# Altium PCB T12-4 2.0.PcbDoc (continued)
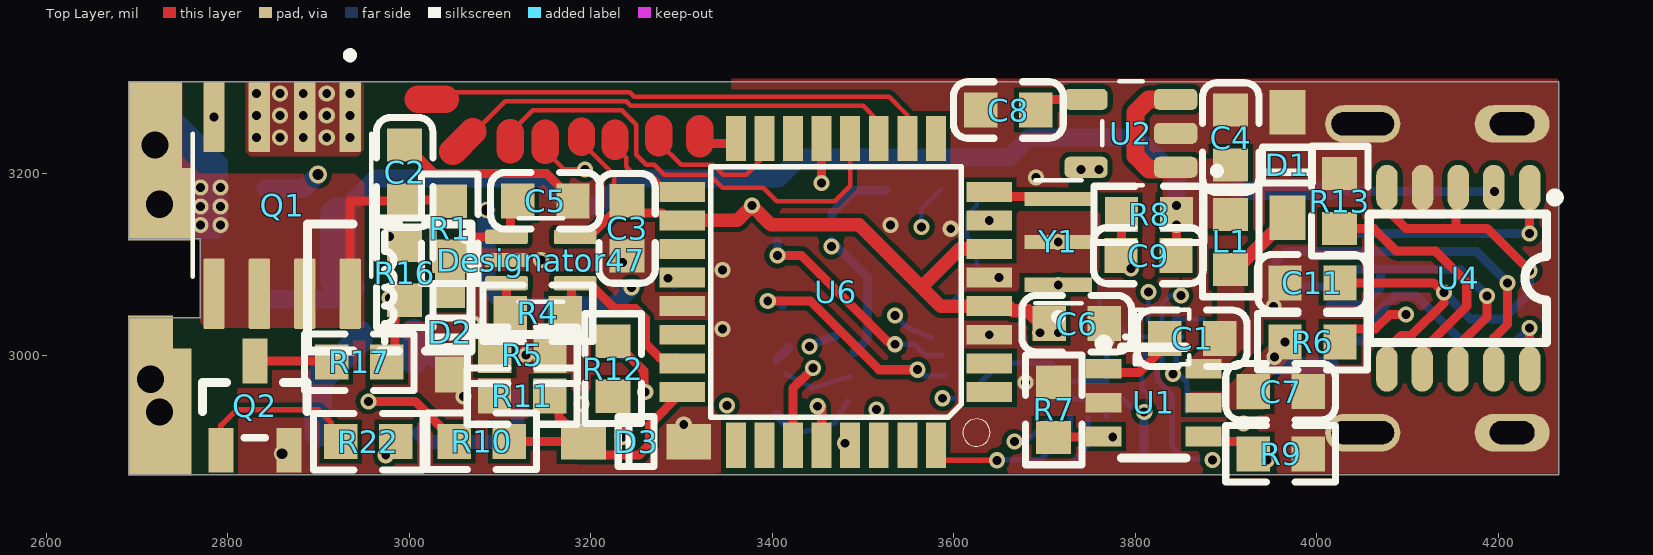
[diagram p0: Top Layer view]
## Footprints (in the part's own frame and the unit in brackets; to place one, negate y for a bottom-side part, rotate by r counter-clockwise, add the part's x,y. Pads: shape width x height; smd on the part's side, far side on the other; paste and mask are expansions set on the pad)
0603_C [mm]
  rect 0.93x0.98 smd: 1(-0.77,0) 2(0.77,0)
  silkscreen extent -1.53,-0.79 1.54,0.79, body extent -0.8,-0.4 0.8,0.4, height 0.3
0603_L [mm]
  rect 0.93x0.98 smd: 1(-0.77,0) 2(0.77,0)
  silkscreen extent -1.53,-0.79 1.54,0.79, body extent -0.8,-0.41 0.8,0.41, height 0.46
0603_R [mm]
  rect 0.93x0.98 smd: 1(-0.77,0) 2(0.77,0)
  silkscreen extent -1.53,-0.79 1.54,0.79, body extent -0.85,-0.4 0.85,0.4, height 0.56
FH35C-13S [mm]
  rect 0.95x0.4 smd: 0(0.275,4.3) 0(0.275,-0.7)
  rect 0.8x0.3 smd: 1(0,3.6) 2(2.875,3.3) 3(0,3) 4(2.875,2.7) 5(0,2.4) 6(2.875,2.1) 7(0,1.8) 8(2.875,1.5) 9(0,1.2) 10(2.875,0.9) 11(0,0.6) 12(2.875,0.3) 13(0,0)
FS312 [mm]
  oval 0.6x1.27 smd: 1(1.891,2.54) 2(0.883,2.54) 3(-0.113,2.54) 4(-1.108,2.54) 5(-2.107,2.54) 6(-2.107,-2.54) 7(-1.119,-2.54) 8(-0.118,-2.54) 9(0.883,-2.54) 10(1.891,-2.54)
  silkscreen extent -2.59,-1.8 2.72,2.38
FXMAR2102UMX [mm]
  rect 0.45x0.25 smd: 1(-0.5,0)
  rect 0.25x0.35 smd: 2(-0.4,-0.45) 3(0,-0.45) 4(0.4,-0.45) 6(0.4,0.45) 7(0,0.45) 8(-0.4,0.45)
  rect 0.325x0.25 smd: 5(0.563,0)
LGA12R50P4X4_200X200X70 [mm]
  rect 0.4x0.35 smd: 1(-0.76,0.75) 2(-0.76,0.25) 3(-0.76,-0.25) 4(-0.76,-0.75) 7(0.76,-0.75) 8(0.76,-0.25) 9(0.76,0.25) 10(0.76,0.75)
  rect 0.35x0.4 smd: 5(-0.25,-0.76) 6(0.25,-0.76) 11(0.25,0.76) 12(-0.25,0.76)
  silkscreen extent -1.55,-1.05 1.05,1.05, body extent -1,-1 1,1, height 0.7
NR3015 [mm] "3mm*3mm*1.5mm(长*宽*高）"
  rect 1.5x3 smd: 1(-1.2,0) 2(1.2,0)
  body extent -1.52,-1.5 1.48,1.5, height 1.45
OSC_CSTCE16M0V51Z-R0 [mm]
  rect 0.4x1.9 smd: 1(-1.2,0) 2(0,0) 3(1.2,0)
  silkscreen extent -2.2,-0.65 1.72,0.65, body extent -1.6,-0.65 1.6,0.65, height 1
SOD-123 [mm]
  rect 1.25x1 smd: 1(1.475,0) 2(-1.475,0)
  silkscreen extent -0.5,-0.7 0.5,0.7, body extent -1.85,-0.77 1.85,0.78, height 1.35
SOD-323 [mm]
  rect 1x0.83 smd: 1(1.18,0) 2(-1.18,0)
  silkscreen extent -0.4,-0.6 0.4,0.6, body extent -1.35,-0.62 1.35,0.63, height 1.1
SOIC127P600X175-8N [mm]
  rrect15% 1.97x0.6 smd: 1(-2.475,1.905) 2(-2.475,0.635) 3(-2.475,-0.635) 4(-2.475,-1.905) 5(2.475,-1.905) 6(2.475,-0.635) 7(2.475,0.635) 8(2.475,1.905)
  silkscreen extent -4.3,-2.5 2,2.5
SOT65P210X110-5N [mm]
  rrect25% 1.19x0.4 smd: 1(-0.96,0.65) 2(-0.96,0) 3(-0.96,-0.65) 4(0.96,-0.65) 5(0.96,0.65)
  silkscreen extent -2.2,-1.17 0.63,1.17, body extent -1.05,-1 1.05,1, height 1.1
SOT95P280X145-5N [mm]
  rrect50% 1.21x0.59 smd: 1(-1.255,0.95) 2(-1.255,0) 3(-1.255,-0.95) 4(1.255,-0.95) 5(1.255,0.95)
  silkscreen extent -2.51,-1.45 0.8,1.45, body extent -1.4,-1.45 1.4,1.45, height 1.45
SOT-23 [mm]
  rect 1.016x1.2 smd: 1(-0.95,-1.06) 2(0.95,-1.06) 3(0,1.06)
  silkscreen extent -1.46,-0.25 1.46,0.8
SOT-23(SOT-23-3) [mm]
  rect 1.25x0.7 smd: 1(1.25,-0.95) 2(1.25,0.95) 3(-1.25,0)
  silkscreen extent -0.65,-1.46 0.9,1.46, body extent -1.5,-1.5 1.5,1.5, height 1.3
SOT-23-5 [mm]
  rect 1.1x0.6 smd: 1(1.4,-0.95) 2(1.4,0) 3(1.4,0.95) 4(-1.4,0.95) 5(-1.4,-0.95)
  silkscreen extent -0.5,-1.87 1.63,1.4
SOT-23-6_L2.9-W1.6-P0.95-LS2.8-BR [mm]
  rect 1x0.55 smd: 1(1.4,-0.899) 2(1.4,0.051) 3(1.4,1.001) 4(-1.4,1.001) 5(-1.4,0.051) 6(-1.4,-0.899)
  silkscreen extent -0.9,-1.73 1.52,1.6
TQFP32-0.8-7X7MM [mil]
  rect 50x22 smd: 1(-169,110.24) 2(-169,78.74) 3(-169,47.24) 4(-169,15.75) 5(-169,-15.75) 6(-169,-47.24) 7(-169,-78.74) 8(-169,-110.24) 17(169,-110.24) 18(169,-78.74) 19(169,-47.24) 20(169,-15.75) 21(169,15.75) 22(169,47.24) 23(169,78.74) 24(169,110.24)
  rect 22x50 smd: 9(-110.24,-169) 10(-78.74,-169) 11(-47.24,-169) 12(-15.75,-169) 13(15.75,-169) 14(47.24,-169) 15(78.74,-169) 16(110.24,-169) 25(110.24,169) 26(78.74,169) 27(47.24,169) 28(15.75,169) 29(-15.75,169) 30(-47.24,169) 31(-78.74,169) 32(-110.24,169)
  silkscreen extent -170,-138 138,170, body extent -177,-177 177,177, height 21
TYPE-C-31-M-12 [mm]
  rect 0.6x1.45 smd: A1B12(-3.25,5.095) A4B9(-2.45,5.095) B1A12(3.25,5.095) B4A9(2.45,5.095)
  rect 0.3x1.45 smd: A5(-1.25,5.095) A6(-0.25,5.095) A7(0.25,5.095) A8(1.25,5.095) B5(1.75,5.095) B6(0.75,5.095) B7(-0.75,5.095) B8(-1.75,5.095)
  oval 1.05x2.1 hole 0.65 slot 1.75 at 90 deg: S1(-4.32,4.18) S2(4.32,4.18)
  oval 1.05x2.1 hole 0.65 slot 1.25 at 90 deg: S3(-4.32,0) S4(4.32,0)
  silkscreen extent -4.47,-2.6 4.47,6.5

## Part data
C1 C3 C10 C17 C18: library part "0603 100nF (104) 10% 50V", "贴片电容", Package=0603, SuppliersPartNumber=C14663, ComponentLink1Description=供?, ComponentLink1URL=http://www.szlcsc.com/product/details_15331.html, Supplier=LC
C2 C11 C13: library part "0603 1uF (105) 10% 50V", "贴片电容", Package=0603, SuppliersPartNumber=C15849, ComponentLink1Description=供?, ComponentLink1URL=http://www.szlcsc.com/product/details_16531.html, Supplier=LC
C4 C6 C15 C16 C20: library part "0603 10uF (106) 10% 10V", "贴片电容", Package=0603, SuppliersPartNumber=C19702, ComponentLink1Description=供?, ComponentLink1URL=http://www.szlcsc.com/product/details_20411.html, Supplier=LC
C5: library part "0603 2.2nF (222) 10% 50V", "贴片电容", Package=0603, SuppliersPartNumber=C1604, ComponentLink1Description=供?, ComponentLink1URL=http://www.szlcsc.com/product/details_1956.html, Supplier=LC
C7 C19: library part "0603 4.7uF (475) 10% 16V", "贴片电容", Package=0603, SuppliersPartNumber=C19666, ComponentLink1Description=供?, ComponentLink1URL=http://www.szlcsc.com/product/details_20375.html, Supplier=LC
C8: library part "0603 10nF (103) 10% 50V", "贴片电容", Package=0603, SuppliersPartNumber=C57112, ComponentLink1Description=供?, ComponentLink1URL=http://www.szlcsc.com/product/details_58143.html, Supplier=LC
C9: library part "0603 33pF (330) 5% 50V", "贴片电容", Package=0603, SuppliersPartNumber=C1663, ComponentLink1Description=供?, ComponentLink1URL=http://www.szlcsc.com/product/details_2015.html, Supplier=LC
C14: library part "0603 10pF (100) 5% 50V", "贴片电容", Package=0603, SuppliersPartNumber=C1634, ComponentLink1Description=供?, ComponentLink1URL=http://www.szlcsc.com/product/details_1986.html, Supplier=LC
D1 D3 D4: library part "SOD-123 B5819W  SL", "肖特基二极管", Package=SOD-123, SuppliersPartNumber=C8598, ComponentLink1Description=供?, ComponentLink1URL=http://www.szlcsc.com/product/details_9093.html, Supplier=LC
D2: library part "SOD-323 1N4148WS T4", "二极管", Package=SOD-323, SuppliersPartNumber=C2128, ComponentLink1Description=供?, ComponentLink1URL=http://www.szlcsc.com/product/details_2485.html, Supplier=LC
J: "USB Connectors 24 Receptacle 1 8.94*7.3mm RoHS", Package=Package, Availability=Unavailable, BuyPart=https://www.snapeda.com/parts/TYPE-C-31-M-12/HRO%20Electronics%20Co.,%20Ltd./view-part/3228496/?ref=eda, MF="HRO Electronics Co., Ltd.", MP=TYPE-C-31-M-12, Price=None, SnapEDA_Link=https://www.snapeda.com/parts/TYPE-C-31-M-12/HRO%20Electronics%20Co.,%20Ltd./view-part/3228496/?ref=snap
L1: library part "0603 33nH 5%", "贴片电感", Package=0603, SuppliersPartNumber=C35050, ComponentLink1Description=供?, ComponentLink1URL=http://www.szlcsc.com/product/details_36021.html, Supplier=LC
Q1: "Transistor: P-MOSFET; unipolar; -40V; -8A; 1.1W; SO8", Package=None, Availability=Unavailable, MF="{'manufacturer': u'Alpha '}", MP=AO4485, Price=None
Q2: library part "SOT-23 SS8050 Y1", "三极管", Package=SOT-23, SuppliersPartNumber=C2150, ComponentLink1Description=供?, ComponentLink1URL=http://www.szlcsc.com/product/details_2507.html, Supplier=LC
R1 R6 R7 R11 R12 R14 R15 R16 R24: library part "0603 10KΩ (1002) 1%", "贴片电阻", Package=0603, SuppliersPartNumber=C25804, ComponentLink1Description=供?, ComponentLink1URL=http://www.szlcsc.com/product/details_26547.html, Supplier=LC
R4: library part "0603 200KΩ (2003) 1%", "贴片电阻", Package=0603, SuppliersPartNumber=C25811, ComponentLink1Description=供?, ComponentLink1URL=http://www.szlcsc.com/product/details_26554.html, Supplier=LC
R5: library part "0603 1KΩ (1001) 1%", "贴片电阻", Package=0603, SuppliersPartNumber=C21190, ComponentLink1Description=供?, ComponentLink1URL=http://www.szlcsc.com/product/details_21904.html, Supplier=LC
R8: library part "0603 62KΩ (6202) 1%", "贴片电阻", Package=0603, SuppliersPartNumber=C23221, ComponentLink1Description=供?, ComponentLink1URL=http://www.szlcsc.com/product/details_23948.html, Supplier=LC
R9: library part "0603 2.2KΩ (2201) 1%", "贴片电阻", Package=0603, SuppliersPartNumber=C4190, ComponentLink1Description=供?, ComponentLink1URL=http://www.szlcsc.com/product/details_4597.html, Supplier=LC
R10: library part "0603 47KΩ (4702) 1%", "贴片电阻", Package=0603, SuppliersPartNumber=C25819, ComponentLink1Description=供?, ComponentLink1URL=http://www.szlcsc.com/product/details_26562.html, Supplier=LC
R13: library part "0603 180KΩ (1803) 1%", "贴片电阻", Package=0603, SuppliersPartNumber=C22827, ComponentLink1Description=供?, ComponentLink1URL=http://www.szlcsc.com/product/details_23554.html, Supplier=LC
R17 R18 R21 R22 R25 R27: library part "0603 4.7KΩ (4701) 1%", "贴片电阻", Package=0603, SuppliersPartNumber=C23162, ComponentLink1Description=供?, ComponentLink1URL=http://www.szlcsc.com/product/details_23889.html, Supplier=LC
R23: library part "0603 100KΩ (1003) 1%", "贴片电阻", Package=0603, SuppliersPartNumber=C25803, ComponentLink1Description=供?, ComponentLink1URL=http://www.szlcsc.com/product/details_26546.html, Supplier=LC
R26: library part "0603 560KΩ (5603) 1%", "贴片电阻", Package=0603, SuppliersPartNumber=C23203, ComponentLink1Description=供?, ComponentLink1URL=http://www.szlcsc.com/product/details_23930.html, Supplier=LC
U1 U2 U4 U8: Package=None, Availability=Unavailable, MF="{'manufacturer': u'Texas Instruments'}", MP=LP2985AIM5-5.0, Price=None
U5: "Mems Digital Output Motion Sensor", Package=None, Availability=Unavailable, MF="{'manufacturer': u'STMicroelectronics'}", MP=LIS2DW12TR, Price=None
U6: "310010049", Package=None, Availability=Unavailable, MF="{'manufacturer': u'Microchip Technology'}", MP=ATMEGA328P-AU, Price=None
U7: "310030099", Package=None, Availability=Unavailable, MF="{'manufacturer': u'Torex'}", MP=PMIC-LDO-XC6206P332MR-G(SOT23), Price=None
U9: library part TPS61040DBVRG4_[C7722], "DC-DCоƬ", Package=SOT-23-5, SuppliersPartNumber=C7722, ComponentLink1Description=供?, ComponentLink1URL=http://www.szlcsc.com/product/details_8199.html, Supplier=LC
Y1: "20MHz Ceramic Resonator Built in Capacitor 15pF +/- 0.2% -40C - 125C Surface Mount", Package=None, Availability=Unavailable, MF="{'manufacturer': u'Murata'}", MP=CSTCE16M0V51Z-R0, Price=None

## Free pads (board coordinates)
  rect 50x140 hole 30: 4(2715,2973.79)
  rect 60x140 hole 30: 4(2720,3231.93)
  rect 70x140 hole 30: 4(2725,2937.76)
  rect 70x80 hole 30: 4(2725,3166.53)

## Via types
v1: diameter 17.72, hole 9.84, Top Layer to Bottom Layer, tented both sides, 94 vias
v2: diameter 17.72, hole 12, Top Layer to Bottom Layer, tented both sides, 2 vias
v3: diameter 20, hole 12, Top Layer to Bottom Layer, tented both sides, 1 vias

## Nets (pads, with @x,y where several pads share a name; then routed paths per layer and width w, separated by ;. In a path a pad name is that pad's centre, name@x,y a point inside that pad or via, vN(x,y) a via of type N, cw(c..) or ccw(c..) an arc to the next point about the centre after c; other vN are vias at no path point)
5.6v: C4.2 C9.1 C20.2 Designator46.1 L1.2 R8.1 U2.1 U2.3 U7.3 U9.4 U9.5 | length 1566
  Top Layer w10: C9.1 3845.31,3110.67 v1(3845.31,3143.78) R8.1
  Top Layer w20: U2.3 3814.33,3282.09 3800,3267.76 3800,3220 3815,3205 U2.1@3855,3205
  Bottom Layer w10: U9.5@2894.45,2984.53 U9.5@2903.82,2993.9 ; Designator46.1@2918.04,3061.86 Designator46.1 ; Designator46.1@2944.68,3024.02 Designator46.1@2944.68,3025
  Bottom Layer w20: C20.2 Designator46.1@2918.04,3061.86 ; U7.3@2921.73,3153.9 2962.83,3195 3145.6,3195 3175.67,3164.93 3209.31,3164.93 3239.38,3195 3407.01,3195 3430.06,3218.05 3660.98,3218.05 3682.83,3239.91 3802.02,3239.91 3845.31,3196.61 v1(3845.31,3143.78)
  Bottom Layer w30: U9.4 2899.88,2971.22 ; 2903.82,2975.16 2944.68,3016.02 Designator46.1@2944.68,3024.02
  Bottom Layer w40: U7.3@2921.73,3153.9 2921.73,3083.94 Designator46.1
  other v1: 3845.31,3165
+3.3v: C13.1 C16.2 C17.1 C18.2 Designator48.8 R14.2 R15.2 R18.2 R21.2 U5.2 U5.9 U5.10 U7.2 U8.4 | length 1944.7
  VCC w10: 3300,2995 v1(3350,2945) ; v1@3917.13,2925.14 v1(3919.22,2925.14)
  VCC w20: v3(2899.55,3199.21) 3044.54,3200.46 v2(3085,3160) ; v1(3245,3075) 3245,3050 3300,2995 3375.37,2995 3415.37,3035 3465,3035 3465,3037.01 ; v1(3465,3120) 3465,3037.01 ; v1@3917.13,2925.14 3904.51,2937.76 v1(3809.68,2937.76) 3617.76,2937.76 3607.83,2927.83 3574.18,2927.83 3465,3037.01
  Bottom Layer w6: U5.2 U5.9 ; U5.10 U5.9 ; R15.2@3795.55,2942.76 3786.36,2951.95 U5.9 ; R15.2@3813.51,2941.59 3813.51,2956.87 3807.27,2963.11 3807.27,2996.47 Designator48.8
  Bottom Layer w10: v1(3465,3120) 3465,3126.17 3505,3086.17 3505,3018.21 U8.4@3490.3,3003.51 ; C18.2@3465.91,3144.09 3465.91,3157.13 3490.3,3181.52 3524.68,3181.52 R21.2 ; R14.2@3809.68,2890.98 v1(3809.68,2937.76) R15.2@3813.51,2941.59
  Bottom Layer w20: U7.2 2883.97,3183.63 v3(2899.55,3199.21) ; v2(3085,3160) 3085,3077.2 3108.31,3053.9 3129.09,3053.9 3145,3053.9 3173.58,3053.9 3179.68,3060 3185,3054.68 3224.68,3054.68 v1(3245,3075)
+5: C3.2 C6.2 Designator47.5 Designator48.1 Designator48.5 R12.1 U2.5 U6.4 U6.6 U6.18 | length 1401.4
  Top Layer w5: 3189.73,3234.74 3225.71,3198.77 C3.2@3225.71,3183.62
  Top Layer w10: Designator47.5 3198.35,3130.59 3224.76,3157.01 3226.69,3157.01 C3.2 ; R12.1@3223.59,3015 3224.67,3016.08 3224.67,3028.72 R12.1@3231.69,3021.69 ; R12.1 3225.65,3015.72 3258.52,2982.85 3258.52,2961.24 v1(3260,2959.76) ; C3.2@3225.71,3183.62 3239.02,3170.32 C3.2 ; U6.18 3287,3148.74 3278.73,3157.01 3253.31,3157.01 C3.2 ; U6.4 U6.4@3660,3054.25 ; C6.2@3695,3035.98 3705,3035.98 C6.2
  Top Layer w15: U6.18 3361.31,3148.74 v1(3377.5,3164.93) 3398.65,3143.78 3495.85,3143.78 3564.44,3075.19 ; U6.4 3585.37,3054.25 3564.44,3075.19 ; U6.6 3606.5,3117.24 3564.44,3075.19 ; U6.4@3660,3054.25 3664.96,3049.29 3681.69,3049.29 C6.2@3695,3035.98
  Top Layer w30: 3189.73,3234.74 3189.73,3247.24
  VCC w10: v1(3260,2959.76) 3195.43,3024.33 3195.43,3127.68 3232.69,3164.93 v1(3377.5,3164.93)
  Bottom Layer w5: 3760,3063.62 3760,3054.02 3793.5,3020.51 3809.5,3020.51 Designator48.1 Designator48.5
  other v1: 3695,3025 3715,3025 3740,3205 3760,3205
+15: C14.2 C15.2 D4.2 R24.2 U8.2 | length 420.3
  VCC w15: v1(3189.73,2946.64) 3233.96,2946.64 3278.94,2901.66 3361.54,2901.66 3394.66,2934.78 3394.66,2966.34 3436.03,3007.71 3438.09,3007.71 3440.38,3010 v1(3441.12,3010)
  Bottom Layer w10: R24.2@3185.32,2895.86 3189.73,2900.28 v1(3189.73,2946.64) ; C15.2@3234.68,3000 C15.2@3234.68,3000.98 ; v1@3439.59,3011.13 3440.62,3011.48 U8.2 ; v1(3441.12,3010) v1@3442.59,3011.48
ADC0: Designator47.4 R4.1 U6.23 | length 210.2
  Top Layer w10: R4.1@3165.31,3046.34 3178.62,3059.65 3178.62,3076.54 3181.5,3079.41 Designator47.4 3198.35,3079.41 3226.28,3051.47 3249.37,3051.47 3260,3040.84 3260,3013.19 3275.93,2997.26 3295,2997.26 U6.23@3299.71,2992.55
ADC1: D3.2 R10.1 R11.2 U6.24 | length 299.9
  Top Layer w10: R10.1 3171.93,2905.32 3186.93,2890.32 3253.31,2890.32 3265,2902.01 3265,2923.76 U6.24 ; R11.2@3165,2955.32 3165,2931.93 D3.2
CC1: J.A5 U4.1 | length 270.7
  Top Layer w10: v1(4234.21,3134.21) 4234.34,3134.34 4234.34,3184.87 U4.1
  Bottom Layer w10: J.A5 v1(4234.21,3134.21)
CC2: J.B5 U4.10 | length 319.5
  Top Layer w10: v1(4234.21,3030) 4234.34,3029.87 4234.34,2985.13 U4.10
  Bottom Layer w10: J.B5 4048.36,3016.1 4065,3032.74 4065,3045 4085.32,3065.32 4109.68,3065.32 4160,3015 4219.21,3015 v1(4234.21,3030)
D6: U6.10 | length 578.3
  Top Layer w5: 3040,3282.09 3047.91,3290 3243,3290 3248,3285 3528.66,3285 3548.74,3264.92 U6.10
  Top Layer w30: 3010,3282.09 3040,3282.09
D7: U6.11 | length 523.5
  Top Layer w5: 3070,3246.65 3070,3244.38 3105.62,3280 3239.02,3280 3244.02,3275 3500,3275 3517.24,3257.76 U6.11
  Top Layer w30: 3047.91,3224.57 3070,3246.65
D8: U6.12 | length 523.4
  Top Layer w5: 3111.38,3245.39 3135.98,3270 3234.02,3270 3250,3254.02 3250,3221.06 3261.06,3210 3270,3210 3280.79,3199.21 3330.79,3199.21 3345.2,3184.8 3390.2,3184.8 3405,3170 3468.78,3170 3485.75,3186.97 U6.12
  Top Layer w30: 3111.38,3226.33 3111.38,3245.39
D9: R22.1 U6.13 | length 841.1
  Top Layer w10: v1(2974.17,2890) R22.1@2974.17,2918.59 ; v1(3454.25,3190) U6.13
  VCC w10: v1(2974.17,2890) 3068.04,2890 3165.6,2987.56 3165.6,3207.98 3183.95,3226.33 3211.05,3226.33 3247.38,3190 v1(3454.25,3190)
DN: J.A7 J.B7 U4.9 | length 457.2
  Top Layer w10: U4.9 4194.76,3019.06 4210,3034.29 v1(4210,3080)
  Bottom Layer w10: J.A7 3965.1,3075.16 3955,3085.26 3955,3103.8 3965.73,3114.53 J.B7 4175.47,3114.53 v1(4210,3080)
DP: J.A6 J.B6 U4.8 | length 362.2
  Top Layer w10: U4.8 4155.36,3010.43 4187.44,3042.51 v1(4187.44,3065.32)
  Bottom Layer w10: J.B6 4050.16,3055.47 4070,3075.32 4070,3094.84 ; J.A6 4070,3094.84 ; v1(4187.44,3065.32) 4157.91,3094.84 4070,3094.84
GND: C2.2 C3.1 C4.1 C5.2 C6.1 C7.1 C8.2 C10.2 C11.1 C13.2 C15.1 C16.1 C17.2 C18.1 C19.1 C20.1 D1.1 D2.2 D3.1 Designator47.2 Designator48.4 J.A1B12 J.B1A12 J.S1 J.S2 J.S3 J.S4 pad.4@2715,2973.79 pad.4@2725,2937.76 Q2.2 R5.2 R7.1 R9.2 R11.1 R13.2 R23.2 R25.1 R26.1 R27.1 U1.2 U2.2 U4.4 U5.3 U5.6 U5.7 U5.8 U6.3 U6.5 U6.21 U7.1 U8.0 U8.12 U9.2 Y1.2 | length 624.6
  Top Layer w10: C2.2 2995.98,3231.93 3027.34,3200.57 3151.05,3200.57 3180.32,3171.3 C5.2
  VCC w10: 3004.28,2954.59 v1(3060,2954.59)
  VCC w20: v2(2860,2891.66) 2941.35,2891.66 3004.28,2954.59
  Bottom Layer w5: Designator48.4@3845.09,3040.04 3875,3040.04
  Bottom Layer w6: v1@3679.71,2970.82 U5.3@3707.53,2970.82 ; U5.3 U5.8 U5.7 v1(3768.19,3016.66) ; U5.6@3748.31,2991.51 U5.7@3767.99,2991.51
  Bottom Layer w10: v1(3678.9,2970) v1@3679.71,2970.82 ; U5.3@3707.53,2970.82 U5.3 ; U5.6 U5.6@3748.31,2991.51 ; U5.7@3767.99,2991.51 U5.7 ; Designator48.4 3845.01,3039.96 Designator48.4@3845.09,3040.04
  other v1: 3302.42,2923.95 3128.66,3000.32 3639,3022.76 3345,3028.9 3070.59,3035 3952.03,3053.9 3649.76,3085.75 3345,3093.9 3235,3102.18 3145,3105 3715,3125 3596.54,3139.51 3530.24,3143.78 3690.32,3195.79
INT1: U5.12 U6.32 | length 235
  Top Layer w6: U6.32@3580.24,2887 U6.32@3582.76,2884.48 ; v1(3647.62,2884.48) U6.32@3587.68,2884.48 ; U6.32@3582.76,2884.48 3576.68,2884.48 3580.24,2888.03 3587.68,2895.47 U6.32@3587.68,2884.48 ; U6.32@3582.76,2884.48 U6.32@3587.68,2884.48 ; U6.32@3582.76,2884.48 3587.68,2879.56 U6.32@3587.68,2884.48
  Top Layer w10: U6.32@3580.24,2887 3580.24,2888.03 U6.32
  Bottom Layer w6: v1@3647.62,2885 3694.94,2885 3728.43,2918.48 U5.12
isp-d10: 
isp-d11: U6.15 | length 174.5
  Top Layer w5: 3275,3234.37 3299.53,3209.84 3335.16,3209.84 3345.79,3199.21 3371.22,3199.21 3391.26,3219.25 U6.15
  Top Layer w30: 3275,3234.37 3275,3250
isp-d12: U6.16 | length 58.8
  Top Layer w10: 3320,3233.29 3354.06,3233.29 U6.16
  Top Layer w30: 3320,3233.29 3320,3250
isp-d13: U6.17 | length 115.8
  Top Layer w5: 3226.69,3230 3239.02,3217.68 3239.02,3207.68 3247.48,3199.21 3266.59,3199.21 U6.17@3285.57,3180.24
  Top Layer w10: U6.17@3285.57,3180.24 U6.17
  Top Layer w30: 3226.69,3230 3226.69,3245
NetC1_1: C1.1 D1.2 L1.1 U1.6 | length 86
  Top Layer w10: L1.1 L1.1@3910.51,3094.69
  Top Layer w15: L1.1@3910.51,3094.69 3923.82,3107.99 D1.2
NetC1_2: C1.2 U1.1 | length 97.7
  Top Layer w10: U1.1 3769.17,2981.11 3803.53,2981.11 3835,3012.59 C1.2@3835,3025.32
NetC5_1: C5.1 D2.1 Designator47.1 R1.1 | length 155.9
  Top Layer w10: D2.1 3045,3108.61 3066.98,3130.59 Designator47.1 3108.5,3130.59 3111.38,3133.46 3111.38,3157.01 C5.1@3124.68,3170.32
NetC8_1: C8.1 U2.4 | length 60.2
  Top Layer w10: C8.1 3702.09,3282.09 U2.4
NetC9_2: C9.2 R7.2 R8.2 U1.3 | length 333.1
  Top Layer w10: R7.2 3710.32,2910 U1.3@3756.97,2910 ; U1.3@3751.97,2905 U1.3@3756.97,2910 ; U1.3 3761.23,2914.26 U1.3@3756.97,2910 ; v1(3775,2910) U1.3@3756.97,2910 ; C9.2@3783.78,3100 3784.68,3100.91 R8.2
  GND w5: v1(3775,2910) 3775,2934.87 3795,2954.87 v1(3795,3095.75)
NetC10_1: C10.1 U6.20 | length 9.4
  Bottom Layer w10: v1(3285,3085) C10.1@3291.66,3078.34
NetC11_2: C11.2 U4.3 U4.5 U4.6 | length 633
  Top Layer w10: C11.2 4128.43,3080 v1@4139.21,3069.21 ; U4.6 4077.06,3006.28 4092.8,3022.01 4104.08,3022.01 4140,3057.93 v1(4140,3069.21) ; U4.5 4077.06,3160.89 4097.96,3140 4152.96,3140 ; U4.3 4152.96,3182.39 4152.96,3140 ; v1(4234.21,3093.23) 4187.44,3140 4152.96,3140
  Bottom Layer w10: v1(4140,3069.21) 4169.21,3040 4205,3040 4234.21,3069.21 v1(4234.21,3093.23)
NetC14_1: C14.1 R23.1 R24.1 U9.3 | length 165.7
  Bottom Layer w10: R24.1@3119.37,2904.69 R24.1@3119.69,2905
  Bottom Layer w15: U9.3 3019.69,2904.69 3068.27,2904.69 R24.1@3119.37,2904.69 ; R24.1@3119.69,2905 3119.69,2945 C14.1@3119.69,2957.05
NetC19_2: C19.2 U8.3 | length 144.3
  Bottom Layer w5: U8.3@3591.26,3052.99 3625,3086.72 3625,3119.92 3615,3129.92 3615,3155 3625,3165 C19.2@3625,3175
NetD4_1: D4.1 Designator46.2 U9.1 | length 64.4
  Bottom Layer w30: U9.1@3005.31,2993.86 3005.31,3025 3028.11,3002.21 D4.1@3029.14,3002.21
NetQ1_4: Q1.4 R16.1 R17.2 | length 395.7
  Top Layer w10: R17.2 2984.45,3001.68 2984.45,3050.19 R16.1
  Top Layer w15: R16.1 R16.1@2995,3067.87
  VCC w10: v1(2785,3262.76) 2786.48,3261.28 2786.48,3248 2824.48,3210 2824.48,3161.14 2922.33,3063.28 v1(2978.16,3063.28)
NetQ2_1: Q2.1 R22.2 | length 185.9
  Top Layer w6: Q2.1 2792.6,2922.91 2809.68,2940 2900,2940 2914.37,2925.63 R22.2@2914.37,2902.01
NetQ2_3: Q2.3 R17.1 | length 87.8
  Top Layer w10: Q2.3@2829.09,2992.99 Q2.3 2910.32,2993.9 R17.1@2914.69,2989.53
NetR2_2: 
NetR4_2: Designator47.3 R4.2 R5.1 | length 79.8
  Top Layer w10: R5.1@3104.69,3000.69 3104.69,3046.34 3107.2,3048.86 Designator47.3
NETR6_1: R6.1 R9.1 U1.4 | length 366.1
  Top Layer w10: U1.4@3875,2910.49 U1.4 3880.73,2905 R9.1@3929.69,2905 ; R6.1 4025.31,3015.98 4038.62,3029.29 4064.29,3029.29 4080,3045 v1(4097.96,3045)
  VCC w10: v1(3945,2885) 3945,2891.02 4097.96,3043.98 v1(4097.96,3045)
NetR13_1: R13.1 U4.7 | length 280.3
  Top Layer w10: R13.1 4062.56,3139.69 4087.24,3115 4130.43,3115 4165,3080.43 4165,3054.29 4115.96,3005.26 U4.7
NetR18_1: R18.1 U8.8 | length 101.5
  Bottom Layer w6: R18.1@3418.62,2920.71 3429.76,2914.41 3468.96,2925.29 U8.8@3482.87,2949.88
  Bottom Layer w10: R18.1 3405.31,2934.02 R18.1@3418.62,2920.71
NetR21_1: R21.1 U8.5 | length 207.3
  VCC w10: v1(3535,3043.9) 3564.26,3073.16 v1(3564.26,3141.5)
  Bottom Layer w5: v1(3564.26,3141.5) 3564.26,3161.44 R21.1
  Bottom Layer w6: v1(3535,3043.9) 3547.32,3031.58 U8.5@3575.26,3019.5
NetR25_2: R25.2 U8.9 | length 253
  Top Layer w10: v1(3395,3060.13) 3441.88,3060.13 3517.76,2984.25 v1(3560,2984.25)
  Bottom Layer w6: v1@3560.01,2985 3560.38,2984.63 3560.75,2984.26 3567.5,2977.51 U8.9@3590,2977.51
  Bottom Layer w10: v1(3395,3060.13) 3404.46,3060.13 3405.32,3060.98 R25.2@3411.3,3055 ; v1(3560,2984.25) 3560,2983.5 3560.75,2984.26 3561.5,2985 v1@3560.01,2985
NetR26_2: R26.2 U8.6 | length 95.5
  Bottom Layer w6: R26.2@3415.36,2979.21 3444.13,2964.01 U8.6
  Bottom Layer w10: R26.2 3405.32,2995.98 R26.2@3418.62,3009.29
NetR27_2: R27.2 U8.7 | length 248.5
  Top Layer w10: v1(3405.59,3110) 3432.39,3110 v1@3528.34,3014.05
  Bottom Layer w6: v1(3535,3012.32) 3556.2,3012.32 3568.52,3000 U8.7@3587.47,3000
  Bottom Layer w10: R27.2 3405.59,3124.72 v1(3405.59,3110) 3417.91,3110 R27.2@3418.62,3110.71
NetU3_6: 
NetU6_7: U6.7 Y1.1 | length 105.4
  VCC w10: v1(3639,3148.74) 3640.48,3147.26 3645.49,3147.26 v1(3715,3077.76)
NetU6_8: U6.8 Y1.3 | length 79.3
  Top Layer w10: U6.8 3644.12,3175.12 3712.13,3175.12 Y1.3
P+: C2.1 pad.4@2720,3231.93 pad.4@2725,3166.53 Q1.5 Q1.6 Q1.7 Q1.8 R1.2 | length 212.9
  Top Layer w10: Q1.8 2935,3170 2993.7,3170 C2.1 3043.14,3171.3 R1.2
  other v1: 2770,3143.78 2792.03,3143.78 2770,3163.94 2792.03,3163.94 2770,3185 2792.03,3185
RES: R12.2 U6.29 | length 749.6
  Top Layer w5: 3150,3225.6 3170.6,3205 v1(3193.65,3205)
  Top Layer w10: R12.2@3215,2964.69 3235,2944.69 v1(3235,2910)
  Top Layer w30: 3150,3225.6 3150,3244.68
  VCC w5: v1(3193.65,3205) 3193.56,3205 3181.43,3192.87 3181.43,2983.59 3170.58,2972.74 3170.58,2938.71 3183.67,2925.62 3217.29,2925.62 v1@3232.91,2910
  VCC w10: v1@3232.91,2910 v1(3235,2910) 3259.84,2885.16 3461.9,2885.16 v1(3480.01,2903.28)
  Bottom Layer w10: v1@3235,2910.61 v1@3235,2911
SCL: Designator48.2 Designator48.7 R14.1 U5.1 U6.28 U8.10 | length 1266.1
  Top Layer w10: v1(3450,2944.03) 3454.48,2944.03 3454.48,2901.22 U6.28 ; v1@3882.91,2885 v1(3885,2885)
  VCC w10: v1(3515,2940.37) 3550.37,2905 v1(3666.59,2905) 3686.59,2885 v1(3885,2885)
  GND w5: v1(3450,2944.03) 3468.95,2962.98 3532.51,2962.98 3560.49,2935 3672.88,2935 3719.54,2888.34 3798.34,2888.34 3826.34,2916.34 3826.34,2952.44 3814.41,2964.37 3814.41,3063.67 3820.75,3070 v1(3814.33,3070)
  Bottom Layer w5: Designator48.2@3814.33,3038.15 v1(3814.33,3070)
  Bottom Layer w6: v1(3666.59,2905) 3680,2905 U5.1@3705,2930 ; Designator48.7 3829.26,2992.01 3824.12,2986.87 3824.12,2972.66 3834.17,2962.61 3840.07,2956.7 3840.07,2900.03 3854.23,2885.87 R14.1@3869.2,2885.87
  Bottom Layer w10: v1(3885,2885) R14.1@3885,2887.09
SDA: Designator48.3 Designator48.6 R15.1 U5.4 U6.27 U8.11 | length 1274.8
  Top Layer w10: U6.27 3422.76,2963.81 v1(3445,2986.05)
  VCC w10: v1(3587.68,2952.85) 3587.68,2957.45 3621.55,2991.32 3831.46,2991.32 3841.28,2981.5 v1(3841.28,2979.76)
  GND w5: v1(3445,2986.05) 3445,2975.87 3425,2955.87 3425,2935.71 3437.37,2923.34 3671.82,2923.34 3715.96,2879.19 3801.92,2879.19 3835.34,2912.62 3835.34,2956.17 3823.41,2968.1 3823.41,3039.61 v1(3850,3066.2)
  Bottom Layer w5: Designator48.3 3829.26,3056.71 3838.75,3066.2 v1(3850,3066.2)
  Bottom Layer w6: v1(3587.68,2952.85) U8.11@3600,2952.85 ; U8.11@3618.06,2964.53 3624.08,2964.53 3650.86,2991.32 U5.4 ; Designator48.6 3845.01,2982.03 3856.8,2970.24 R15.1@3856.8,2937.76
VCC: C7.2 J.A4B9 J.B4A9 Q1.1 Q1.2 Q1.3 R6.2 R10.2 R16.2 U1.5 U4.2 | length 906.4
  Top Layer w10: v1(2955,2949.37) 3006.61,2949.37 3049.68,2906.3 R10.2 ; R16.2@2986.99,3121.4 R16.2@2997.76,3110.63
  VCC w10: v1(2857.46,3240) 2857.46,3178.19 2904.73,3130.92 v1(2978.16,3130.92) v1(2978.16,3130.92) 3025,3084.17 3025,3019.37 v1(2955,2949.37)
  Bottom Layer w10: J.A4B9 4048.54,3181.46 4049.44,3180.56 v1(4195.56,3180.56)
  Bottom Layer w20: 3911.46,3181.46 J.A4B9 ; 3953.34,2988.54 J.B4A9
  other v1: 3953.29,2998.29 3964.68,3015 2831.61,3240 2883.31,3239.91 2909.15,3240 2935,3240 2831.61,3264.38 2857.46,3264.38 2883.31,3264.28 2909.15,3264.38 2935,3264.38 2831.61,3288.75 2857.46,3288.75 2883.31,3288.66 2909.15,3288.75 2935,3288.75
pads on no net: J.A8 J.B8 U5.5 U5.11 U6.1 U6.2 U6.9 U6.14 U6.19 U6.22 U6.25 U6.26 U6.30 U6.31 U8.1 U8.13
copper on no net: | length 216.1
  VCC w4: 2860,2901.66 ccw(c2860,2891.66) 2860.67,2881.69
  GND w4: 2870,2891.66 ccw(c2860,2891.66) 2870,2891.66 ; 3700.32,3195.79 ccw(c3690.32,3195.79) 3700.32,3195.79
  Bottom Layer w6: 3728.43,2881.69 3748.11,2901.38 3748.11,2931.87

## Polygon pours and split planes (outlines as drawn)
GND on Top Layer "Top Layer-No Net" (solid, pour order 48): 2765,3044.05 2765.3,3043.75 2765.3,3016.1 2969.62,3016.1 2970,3015.72 2970,3305 4265,3305 4265,2870 2690,2870 2690,3044.05
P+ on Top Layer "Top Layer-P+" (solid, pour order 40): 2770,3030.72 2770,3125 2765,3130 2691.26,3130 2691.26,3300 2692.8,3301.54 2750,3301.54 2750,3219.37 2769.05,3200.32 2940.23,3200.32 2950.55,3190 2950.55,3030.72
VCC on Top Layer "Top Layer-VCC 1" (solid, pour order 42): 2950,3226.33 2943.15,3219.48 2825.09,3219.48 2820,3224.57 2820,3301.49 2950,3301.53
VCC on Top Layer "Top Layer-VCC" (solid, pour order 26): 3950,3029.68 3950,3014.49 3910.51,2975 3895.28,2959.76 3860,2959.76 3860,2940 3945,2940 3945,2972.11 3972.89,3000 3979.68,3000
NetC1_1 on Top Layer "NETC1_1_L01_P024" (solid, pour order 24): 3890,3111.05 3890,3025 3860,2995 3860,2979.21 3890,2979.21 3920,3009.21 3920,3111.05
5.6v on Top Layer "Top Layer-5.6v" (solid, pour order 22): 3830,3216.46 3920,3216.46 3920,3140 3875,3140 3830,3140
GND on Bottom Layer "Bottom Layer-GND" (solid, pour order 46): 4265,3305 4265,2870 2770,2870 2690,2870 2690,3044.05 2769.05,3044.05 2770,3045 2770,3125 2690,3125 2690,3305 2770,3305
VCC on Bottom Layer "Bottom Layer-VCC" (solid, pour order 36): 2815,3223.74 2822.97,3215.77 2957.67,3215.77 2962.84,3210 3406.91,3210 3426.55,3229.64 3855.36,3229.64 3880,3205 3880,3049.78 3949.78,2980 3980,2980 3986.58,2999.75 3974.25,3012.09 3940,3046.34 3940,3124.36 3990.64,3175 4035,3175 4035,3190 3984.4,3190 3954.92,3219.48 3954.92,3275 3930,3300 2825,3300 2815,3290
+15 on Bottom Layer "Bottom Layer-+15" (solid, pour order 38): 3200.61,3014.22 3245,3014.22 3245,2980 3218.78,2980 3200.61,2961.83 3200.61,2930 3174.35,2930 3174.35,2975.65 3145,3005 3145,3014.22
+5 on Bottom Layer "Bottom Layer-+5" (solid, pour order 30): 3731,3220 3725,3214 3725,3200 3750,3175 3750,3063.62 3721.87,3035.49 3690,3035.49 3690,3016.1 3735.31,3016.1 3775,3055.79 3775,3212.95 3768.19,3219.76
GND on GND "GND-GND" (solid, pour order 50): 2769.05,3084.05 2815,3130 2815,3301.54 4265,3301.54 4265,2868.46 4263.46,2870 2690,2870 2690,3044.05 2769.05,3044.05
GND on VCC "GND-GND" (solid, pour order 54): 2769.05,3100 2815,3145.95 2815,3301.54 4265,3301.54 4265,2868.46 4263.46,2870 2690,2870 2690,3044.05 2769.05,3044.05

## Other copper
Top Layer:
  pour cut-out: 3354.06,3310 3355,3309.06 3355,3195 2965,3195 2962.84,3197.16 2962.84,3310
  pour cut-out: 2725,3051.47 2726.47,3050 2770,3050 2770,3036.57 2786.54,3020.03 2788.2,3021.69 2810.32,3021.69 2810.32,2864.02 2796.29,2850 2665,2850 2665,3044.25 2675,3054.25
VCC:
  region net P+: 2715,3301.54 2750,3301.54 2750,3265 2800,3215 2800,3137.23 2799.79,3137.23 2790.86,3128.31 2716.69,3128.31 2715,3130
  pour cut-out: 3680.34,3040 3729.92,3040 3730,3010.56 3680,3010.56
  pour cut-out: 2765.3,3255 2805,3215.3 2805,3132.71 2793.51,3121.22 2765.3,3121.22 2765.3,3100 2824.48,3100 2860,3064.48 2860,2850 2990,2850 2990,3310 2770,3320 2765.3,3315.3
GND:
  pour cut-out: 2814.48,3220 2814.89,3220.41 2954.59,3220.41 2954.59,3301.12 2955,3301.54 2815,3301.54
  region net P+: 2715,3301.54 2750,3301.54 2750,3265 2800,3215 2800,3137.23 2799.79,3137.23 2790.86,3128.31 2716.69,3128.31 2715,3130
  pour cut-out: 3680.33,3039.48 3729.92,3039.48 3730,3010.56 3680,3010.56
  pour cut-out: 4264.5,3103.44 4264.23,3091.97 4003.85,3091.97 4003.47,3091.58 3936.1,3158.95 3128.07,3158.95 3045,3075.88 3045,2868.46 3030,2868.46 3030,3078.34 3121.66,3170 3945.52,3170 4012.09,3103.44
Bottom Layer:
  pour cut-out: 3800,3053.3 3800,2995.98 3863.34,2995.98 3863.34,3060.68
  pour cut-out: 3728.43,2918.48 3694.94,2885 3654.26,2885 3654.26,2882.72 3640,2868.46 3770,2868.46 3770,2913.48 3765,2918.48
  region net P+: 2715,3301.54 2750,3301.54 2750,3265 2800,3215 2800,3137.23 2799.79,3137.23 2790.86,3128.31 2716.69,3128.31 2715,3130
  pour cut-out: 2759.53,3045.69 2759.92,3045.3 2790,3045.3 2790,2860 2759.53,2860
  pour cut-out: 2790,3040.76 2792.03,3042.79 2792.03,3108.58 2812.91,3129.47 2812.91,3303.1 2814.82,3305 2730,3305 2730,3046.55 2727.5,3044.05 2730.79,3040.76
  pour cut-out: 3685.92,3012.05 3800,3012.05 3800,2916.25 3685.92,2916.25

## Silkscreen, mask and mechanical layers (free items; w line width, h text height)
Top Overlay:
  lines w10: 3075.05,3023 3189.73,3023
Bottom Overlay:
  lines w10: 3085.32,2918.09 3221.06,2918.09 ; 3774.25,2912 3910,2912
  text "Eddy@20210720" at 3507.56,3247.24 h40
Top Solder:
  lines w30: 3010,3282.09 3040,3282.09 ; 3047.91,3224.57 3070,3246.65 ; 3111.38,3226.33 3111.38,3245.39 ; 3150,3225.6 3150,3244.68 ; 3189.73,3234.74 3189.73,3247.24 ; 3226.69,3230 3226.69,3245 ; 3275,3234.37 3275,3250 ; 3320,3233.29 3320,3250
Bottom Solder:
  lines w10: 3965.67,2988.54 3970,2988.54
  lines w20: 3939.65,3010.3 3958.39,2991.56 3970,2988.54 4014.41,2988.54 ; 3955,3181.46 4014.41,3181.46
Mechanical 1:
  lines w5: 2691.26,2868.46 2770,2868.46 4266.06,2868.46 4266.06,3301.54 2770,3301.54 2691.26,3301.54 2691.26,3128.31 2770,3128.31 2770,3041.69 2691.26,3041.69 2691.26,2868.46
Assembly Top:
  lines w1: 2691.26,2943.27 2770,2943.27 2770,2868.46 4266.06,2868.46 4266.06,3301.54 2770,3301.54 2770,3226.73 2691.26,3226.73 2691.26,3128.31 2770,3128.31 2770,3041.69 2691.26,3041.69 2691.26,2943.27